# Altium PCB AutoinformerPCB.PcbDoc (part 1 of 3) (continued)
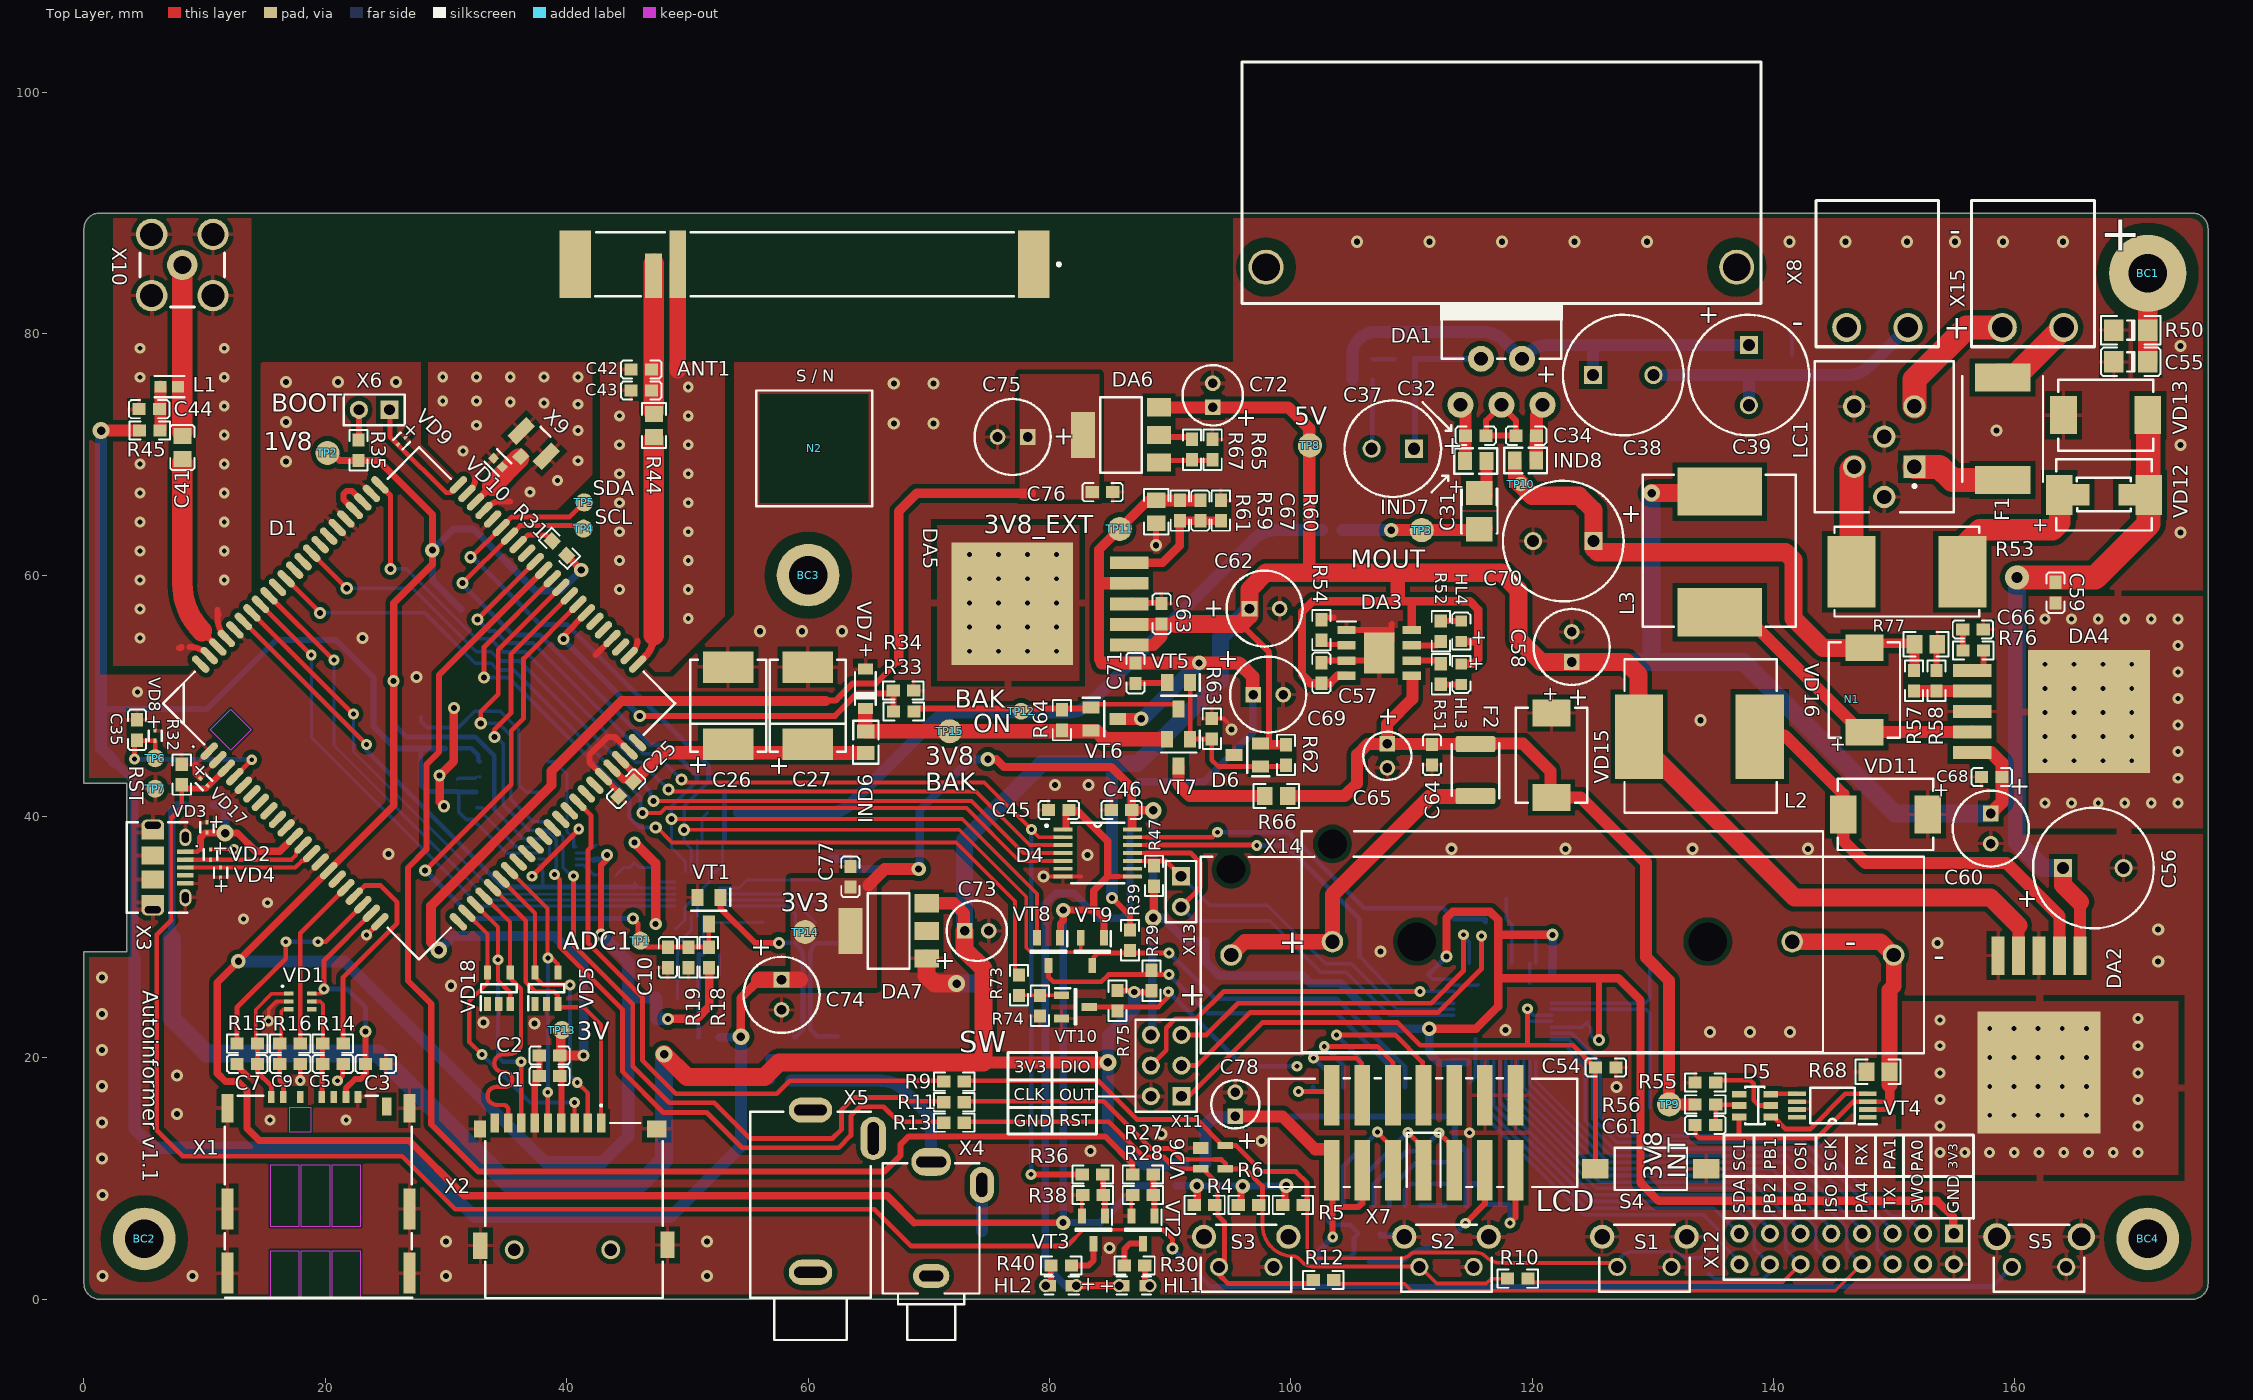
[diagram p0: Top Layer view]
## Components (designator, comment, footprint, x,y, rotation, side; value= is the part's Value field where it differs from the comment) (continued)
DA2 "LM2576S-5.0" "TO263-5 - heatsink" 161.921,19.264 r180 top
DA3 "TP4056" SOIC127P600X175-9N 107.325,53.55 r0 top
DA4 "LM2577S-ADJ" "TO263-5 - heatsink" 165.661,48.619 r270 top
DA5 "MIC29302WU" "TO263-5 - heatsink" 77.4,57.7 r90 top
DA6 "LM1117GS-ADJ" SOT223 85.925,71.6 r90 top
DA7 "LM1117GS-3.3" SOT223 66.675,30.5 r90 top
DD1 "STM32L151CBT6A" LQFP48_N 117.55,23.775 r180 bottom
F1 "MF-SM185/33-2" FUSM8867X300N 158.975,72.125 r270 top
F2 "1812L125/6PR" FUSSC324X455X62L 115.3,43.85 r270 top
HL1 "TO-1608BC-MYF" "LED_SMD1608 + THR0254" 87.05,1.125 r0 top
HL2 "TO-1608BC-MRE" "LED_SMD1608 + THR0254" 80.95,1.125 r180 top
HL3 "TO-1608BC-PG" LED_SMD1608GREEN 114.125,51.8 r270 top
HL4 "TO-1608BC-BF" LED_SMD1608 114.125,55.35 r90 top
IND1 "BLM21PG121SN1D" BLM21PG221_0805 58.85,20.825 r270 bottom
IND2 "BLM21SP102SN1D" BLM21PG221_0805 51.65,21.65 r180 bottom
IND3 "BLM21SP102SN1D" BLM21PG221_0805 48.3,25 r0 bottom
IND4 "BLM21SP102SN1D" BLM21PG221_0805 61.9,35.6 r270 bottom
IND5 "BLM21PG221SN1D" BLM21PG221_0805 75.2,26.15 r180 bottom
IND6 "BLM21PG300SN1D" BLM21PG221_0805 64.775,46.15 r90 top
IND7 "BLM21PG221SN1D" BLM21PG221_0805 115.325,69.45 r180 top
IND8 "BLM21SP102SN1D" BLM21PG221_0805 119.45,69.5 r0 top
IND9 "BLM21SP102SN1D" BLM21PG221_0805 92,11.2 r0 bottom
L1 "LQG18HN47NJ" L0603 7.075,75.625 r0 top
L2 "SRR1208-330YL" SRR1208 133.85,46.625 r180 top
L3 "SRR1208-680YL" SRR1208 135.55,61.925 r270 top
LC1 "BNX003-01" Murata_BNX_L12MM5_W11MM5_T13MM0_MFG 149.175,71.475 r270 top
N1 "Logo" "LOGO_SS - bot" 146.5,49.725 r0 top
N2 "SN" KZTA_SN 56,66 r0 top
R1 "0" R_SMD0603 89.65,9.4 r180 bottom
R2 "0" R_SMD0603 74.4,4.8 r90 bottom
R3 "68" R_SMD0603 57.75,18.125 r0 bottom
R4 "10k" R_SMD0603 92.85,7.825 r180 top
R5 "10k" R_SMD0603 100.175,7.825 r180 top
R6 "10k" R_SMD0603 96.5,7.825 r180 top
R8 "0 (NC)" R_SMD0603 134.7,2.95 r90 bottom
R9 "0" R_SMD0603 72.1,18.025 r0 top
R10 "0 (NC)" R_SMD0603 118.8,1.7 r180 top
R11 "0" R_SMD0603 72.1,16.325 r0 top
R12 "0 (NC)" R_SMD0603 102.7,1.6 r180 top
R13 "0" R_SMD0603 72.1,14.625 r0 top
R14 "22" R_SMD0603 20.625,21.175 r180 top
R15 "22" R_SMD0603 13.525,21.175 r0 top
R16 "22" R_SMD0603 17.075,21.175 r180 top
R17 "2.2k" R_SMD0603 56.175,30.375 r270 bottom
R18 "1k" R_SMD0603 51.775,28.325 r90 top
R19 "1k" R_SMD0603 50.075,28.325 r270 top
R20 "2.2k" R_SMD0603 32.05,57.925 r225 bottom
R21 "2.2k" R_SMD0603 34.575,60.425 r45 bottom
R22 "0 (NC)" R_SMD0805 53.4,57.9 r180 bottom
R23 "0 (NC)" R_SMD0805 28.225,72.55 r0 bottom
R24 "0 (NC)" R_SMD0805 14.275,63.25 r180 bottom
R25 "0" R_SMD0603 45.625,35.35 r90 bottom
R26 "2.2k" R_SMD0603 62.325,30.35 r90 bottom
R27 "10k" R_SMD0603 87.75,10.325 r0 top
R28 "10k" R_SMD0603 87.75,8.625 r0 top
R29 "2.2k" R_SMD0603 88.45,26.4 r90 top
R30 "360" R_SMD0603 87.05,2.8 r0 top
R31 "10k" R_SMD0603 39.4,62.225 r315 top
R32 "0 (NC)" R_SMD0603 8.1,43.475 r90 top
R33 "22k" R_SMD0603 67.925,48.7 r0 top
R34 "10k" R_SMD0603 67.9,50.45 r180 top
R35 "10k" R_SMD0603 22.75,70.35 r90 top
R36 "10k" R_SMD0603 83.575,10.325 r0 top
R37 "39" R_SMD0603 109.45,77.9 r0 bottom
R38 "10k" R_SMD0603 83.6,8.625 r0 top
R39 "2.2k" R_SMD0603 86.675,29.75 r90 top
R40 "360" R_SMD0603 80.975,2.8 r180 top
R41 "43" R_SMD0603 105.95,76.2 r0 bottom
R42 "2.2" R_SMD0603 105.95,74.5 r180 bottom
R43 "1" R_SMD0603 141.525,80.95 r90 bottom
R44 "0" R_SMD0805 47.225,72.4 r90 top
R45 "10" R_SMD0603 5.45,71.975 r180 top
R46 "10k" R_SMD0603 92.925,30.5 r90 bottom
R47 "10k" R_SMD0603 88.675,35.075 r90 top
R48 "10k" R_SMD0603 117,33.2 r180 bottom
R49 "10k" R_SMD0603 117,31.5 r180 bottom
R50 "1M" R_SMD1206 169.6,80.3 r180 top
R51 "18k" R_SMD0603 112.425,51.8 r270 top
R52 "3.9k" R_SMD0603 112.425,55.35 r90 top
R53 "2" R_SMD4527 151.05,60.275 r0 top
R54 "1.2k" R_SMD0603 102.525,55.45 r270 top
R55 "1k" R_SMD0603 134.35,17.95 r180 top
R56 "100" R_SMD0603 134.35,16.15 r0 top
R57 "16k" R_SMD0603 151.65,51.25 r90 top
R58 "1.5k" R_SMD0603 153.5,51.25 r270 top
R59 "100k" R_SMD0603 90.8,65.35 r90 top
R60 "47k" R_SMD0603 94.2,65.35 r270 top
R61 "470" R_SMD0805 88.85,65.25 r90 top
R62 "10k (NC)" R_SMD0603 99.6,45.1 r90 top
R63 "100k" R_SMD0603 93.45,47.275 r90 top
R64 "1k" R_SMD0603 81.025,47.995 r90 top
R65 "1.3k" R_SMD0603 93.525,70.4 r270 top
R66 "0.1" R_SMD0805 98.8,41.7 r0 top
R67 "1k" R_SMD0603 91.825,70.4 r90 top
R68 "0" R_SMD0805 148.65,18.85 r180 top
R69 "3.3k" R_SMD0603 103.45,63.725 r0 bottom
R70 "7.5k" R_SMD0603 106.375,64.575 r90 bottom
R71 "1k" R_SMD0402 30.425,45.65 r0 bottom
R72 "1k" R_SMD1206 27.925,46.625 r90 bottom
R73 "68" R_SMD0603 77.475,26.025 r270 top
R74 "10k" R_SMD0603 79.2,24.325 r90 top
R75 "10k" R_SMD0603 85.625,24.725 r90 top
R76 "2k" R_SMD0603 156.55,53.75 r180 top
R77 "120" R_SMD0805 152.625,54.275 r180 top
R78 "0" R_SMD0603 43.2,35.15 r0 bottom
R79 "10k" R_SMD0603 113.7,7.775 r0 bottom
R80 "10k" R_SMD0603 113.7,9.575 r0 bottom
R81 "10k" R_SMD0603 113.7,11.35 r0 bottom
R82 "10k" R_SMD0603 103.05,3.185 r0 bottom
R83 "5.6k" R_SMD0603 116.35,8.7 r90 bottom
R84 "2k" R_SMD0603 118.075,8.7 r90 bottom
S1 "KLS7-TS6606" "KLS7-TS6606 -7.0"#1 129.3,3.4 r0 top
S2 "KLS7-TS6606" "KLS7-TS6606 -7.0"#1 112.9,3.4 r0 top
S3 "KLS7-TS6606" "KLS7-TS6606 -7.0"#1 96.3,3.4 r0 top
S4 "1437566-3" 1437566-3 129.825,10.8 r0 top
S5 "KLS7-TS6606" "KLS7-TS6606 -7.0"#2 162,3.4 r0 top
TP1 "Test_point" TEST_POINT#1 46.113,29.713 r0 top
TP2 "Test_point" TEST_POINT#2 20.175,70.125 r0 top
TP3 "Test_point" TEST_POINT#2 110.85,63.725 r270 top
TP4 "Test_point" TEST_POINT#1 41.4,63.85 r0 top
TP5 "Test_point" TEST_POINT#1 41.45,66.025 r0 top
TP6 "Test_point" TEST_POINT#1 5.9,44.825 r0 top
TP7 "Test_point" TEST_POINT#3 5.875,42.3 r0 top
TP8 "Test_point" TEST_POINT#2 101.575,70.75 r90 top
TP9 "Test_point" TEST_POINT#2 131.35,16.15 r180 top
TP10 "Test_point" TEST_POINT#4 119.05,67.55 r90 top
TP11 "Test_point" TEST_POINT#2 85.825,63.825 r270 top
TP12 "Test_point" TEST_POINT#5 77.65,48.725 r270 top
TP13 "Test_point" TEST_POINT#1 39.6,22.3 r90 top
TP14 "Test_point" TEST_POINT#2 59.75,30.425 r270 top
TP15 "Test_point" TEST_POINT#2 71.75,47.065 r0 top
VD1 "SMF05C" SMF05C 17.925,24.675 r270 top
VD2 "ESD9L5.0ST5G" ESD9L5_514AB 10.475,36.85 r270 top
VD3 "ESD9L5.0ST5G" ESD9L5_514AB 10.2,39.1 r270 top
VD4 "ESD9L5.0ST5G" ESD9L5_514AB 11.325,35.35 r90 top
VD5 "ESDA6V1SC5" SOT23-5 38.325,25.775 r90 top
VD6 "SP0503BAHTG" SP0503BAHTG 93.55,11.775 r0 top
VD7 "MMSZ5231B-TP" SOD-123_3716X135N 64.75,50.6 r90 top
VD8 "ESD9L3.3ST5G" ESD9L5_514AB 5.9,46.7 r270 top
VD9 "ESD9L3.3ST5G" ESD9L5_514AB 26.325,71.125 r225 top
VD10 "LXES15AAA1-153" Murata_LXES15_IPC_A 34.3,69.325 r315 top
VD11 "SS36" "DO214AB SMC" 149.275,40.175 r180 top
VD12 "SS510" "SMC + SMAF" 167.375,66.65 r180 top
VD13 "SM15T39CA" "DO214AB SMC" 167.525,73.25 r0 top
VD14 "BAT60AE6327HTSA1" SOD-323 9.575,40.95 r180 bottom
VD15 "SS34" "DO214AB SMC" 121.6,45.075 r270 top
VD16 "SS36" "DO214AB SMC" 147.525,50.475 r90 top
VD17 "ESD9L3.3ST5G" ESD9L5_514AB 9.95,42.85 r315 top
VD18 "ESDA6V1SC5" SOT23-5 34.375,25.775 r90 top
VT1 "2N7002" SOT23 51.77,32.2 r270 top
VT2 "BC850B" SOT23-3 87.75,5.75 r270 top
VT3 "BC850B" SOT23-3 83.65,5.75 r270 top
VT4 "FS8205A" SOP65P640X120-8N 144.875,16.05 r180 top
VT5 "BSS138" SOT23 90.7,50 r270 top
VT6 "IRLML6402" SOT23 84.555,48.08 r0 top
VT7 "IRLML6402" SOT23 90.69,45.3 r270 top
VT8 "BSS138" SOT23-3 79.925,28.8 r270 top
VT9 "BSS138" SOT23-3 83.55,28.8 r270 top
VT10 "BSS138" SOT23-3 82.15,24.225 r0 top
VT11 "SI2308BDS-T1-GE3" SOT23 106.475,4.25 r270 bottom
X1 "5039600696" MOLEX_uSIM_5039600696 27.475,17.025 r180 top
X2 "112J-TDAR-R" 112JTDARR 40.6,14.6 r0 top
X3 "1050170001" "MOLEX_1050170001 - compact" 6.05,35.775 r270 top locked
X4 "PY-401N" "PY-401N - compact" 74.2,11.275 r180 top locked
X5 "PY-601N" "PY-601N - compact" 65.2,15.525 r180 top locked
X6 "DS1021_1x2" PLD2 24.05,73.7 r180 top
X7 "DS1013-14M" IDC-14M 111,13.8 r0 top
X8 "2EDGR-5.08-02P" 2EDGR-5.08-02P 148.6,80.525 r0 top
X9 "U_FL-R-SMT-1_10" HIROSE_0_MFG 37.275,70.9 r135 top
X10 "KLS1-SMA002-B" "SMA-FEMALE-RA - L-KLS1-SMA002-B" 8.15,85.7 r0 top
X11 "DS1021-2*3SF11-B" PLD2-3 89.67,19.36 r90 top
X12 "DS1021_2x8" PLD2X8 154.94,5.44 r180 top
X13 "DS1021_1x2" PLD2 90.9,33.775 r270 top
X14 "Keystone 1029 [1028]" BAT_keystone1028+1029 122.5,28.525 r0 top
X15 "2EDGR-5.08-02P" 2EDGR-5.08-02P 161.5,80.525 r0 top
Y1 "HC49SM-8MHz" HC49SM 129.75,24.4 r90 bottom

## Footprints (in the part's own frame and the unit in brackets; to place one, negate y for a bottom-side part, rotate by r counter-clockwise, add the part's x,y. Pads: shape width x height; smd on the part's side, far side on the other; paste and mask are expansions set on the pad)
2EDGR-5.08-02P [mm]
  round 2.4 hole 1.7: 1(-2.54,0) 2(2.54,0)
  silkscreen extent -5.08,-1.6 5.08,10.5, body extent -5.08,-1.6 5.08,10.5, height 8.1
112JTDARR [mm]
  rect 0.7x1.6 smd: 1(2.25,0) 2(1.15,0) 3(0.05,0) 4(-1.05,0) 5(-2.15,0) 6(-3.25,0) 7(-4.35,0) 8(-5.45,0) 9(-6.55,0)
  rect 1x1.4 smd: 10(-7.8,-0.5)
  rect 1.2x2.2 smd: 11(-7.75,-10.16) 12(7.75,-10.1)
  rect 1.6x1.4 smd: 13(6.85,-0.5)
  round 1.575 hole 1.05: 14(-4.95,-10.5) 15(3.05,-10.5)
  silkscreen extent -7.35,-14.5 7.35,1.5, body extent -8.05,-14.5 8.05,0.5, height 1.85
1437566-3 [mm]
  rect 2.18x1.6 smd: 1(-4.6,0) 2(4.6,0)
  silkscreen extent -3,-1.75 3,1.75, body extent -5.54,-1.75 5.54,1.75, height 4.87
BAT_keystone1028+1029 [mm]
  round 0 hole 2.39 unplated mask+0.102: MH(-27.45,7.1) MH(-19.05,9.2)
  round 0 hole 3.2 unplated mask+0.102: MH(-12.05,1.1) MH(12.05,1.1)
  round 1.785 hole 1.19: NEG(19.05,1.1) NEG(27.45,0) POS(-27.45,0) POS(-19.05,1.1)
  silkscreen extent -29.97,-8.13 29.97,10.25, body extent -29.97,-8.13 29.97,10.29, height 18.2
BLM21PG221_0805 [mm]
  rect 1.14x1.47 smd: 1(-0.89,0) 2(0.89,0)
  silkscreen extent -1.78,-1.06 1.78,1.05, body extent -1.1,-0.72 1.11,0.72, height 1.04
body_connection_1#1 [mm]
  round 6.4 hole 3.2: 1(203.664,65.647)
body_connection_1#2 [mm]
  round 5.2 hole 3.2: 1(22.288,-14.353)
body_connection_1#3 [mm]
  round 5.2 hole 3.2: 1(84.963,40.647)
body_connection_1#4 [mm]
  round 5.2 hole 3.2: 1(-9.25,-0.6)
C_SMD0402 [mm]
  rect 0.6x0.6 smd: 1(-0.5,0) 2(0.5,0)
  silkscreen extent -1.03,-0.52 1.03,0.53, body extent -0.53,-0.28 0.53,0.28, height 0.55
C_SMD0603 [mm]
  rect 1.1x1 smd: 1(-0.85,0) 2(0.85,0)
  silkscreen extent -1.68,-0.75 1.68,0.75, body extent -0.85,-0.45 0.85,0.45, height 0.9
C_SMD0805 [mm]
  rect 1.3x1.5 smd: 1(-0.95,0) 2(0.95,0)
  silkscreen extent -1.87,-1 1.88,1, body extent -1.05,-0.67 1.05,0.68, height 0.75
C_SMD1206 [mm]
  rect 1.6x1.8 smd: 1(-1.4,0) 2(1.4,0)
  silkscreen extent -2.45,-1.17 2.45,1.17, body extent -1.67,-0.87 1.68,0.88, height 1
"DO214AB SMC" [mm]
  rect 2.2x3.15 smd: 1(-3.5,0) 2(3.5,0)
  silkscreen extent -3.95,-2.95 3.95,2.95, body extent -4.06,-3.15 4.06,3.15, height 2.62
ESD9L5_514AB [mm]
  rect 0.36x0.25 smd paste+0 mask+0: 1(-0.42,0) 2(0.42,0)
  silkscreen extent -0.43,-0.55 0.43,0.55, body extent -0.7,-0.43 0.7,0.43, height 0.25
FUSM8867X300N [mm]
  rect 2.3x4.6 smd: 1(-4.25,0) 2(4.25,0)
  silkscreen extent -4.38,-3.35 4.38,3.35, body extent -4.38,-3.35 4.37,3.36, height 2.99
FUSSC324X455X62L [mm]
  rrect25% 1.34x3.29 smd: 1(-2.15,0) 2(2.15,0)
  silkscreen extent -2.21,-1.95 2.35,1.96, body extent -2.27,-1.62 2.27,1.62, height 1.25
HC49SM [mm]
  rect 5.5x2 smd: 1(-4.75,0) 2(4.75,0)
  silkscreen extent -5.85,-2.5 5.85,2.5, body extent -6.2,-2.35 6.2,2.35, height 3.8
HIROSE_0_MFG [mm]
  rect 1x1.05 smd paste-1000 mask+0: 1(0,1.525)
  rect 1.05x2.2 smd paste-1000 mask+0: 2(-1.475,0) 3(1.475,0)
  silkscreen extent -0.58,-1.38 0.58,-1.38, body extent -2.1,-1.47 2.1,2.15, height 0.25
IC_SIM7600E-H [mm]
  oval 1.8x0.6 smd: 1(-15.1,9.5) 2(-15.1,8.5) 3(-15.1,7.5) 4(-15.1,6.5) 5(-15.1,5.5) 6(-15.1,4.5) 7(-15.1,3.5) 8(-15.1,2.5) 9(-15.1,1.5) 10(-15.1,0.5) 11(-15.1,-0.5) 12(-15.1,-1.5) 13(-15.1,-2.5) 14(-15.1,-3.5) 15(-15.1,-4.5) 16(-15.1,-5.5) 17(-15.1,-6.5) 18(-15.1,-7.5) 19(-15.1,-8.5) 20(-15.1,-9.5) 41(15.1,-9.5) 42(15.1,-8.5) 43(15.1,-7.5) 44(15.1,-6.5) 45(15.1,-5.5) 46(15.1,-4.5) 47(15.1,-3.5) 48(15.1,-2.5) 49(15.1,-1.5) 50(15.1,-0.5) 51(15.1,0.5) 52(15.1,1.5) 53(15.1,2.5) 54(15.1,3.5) 55(15.1,4.5) 56(15.1,5.5) 57(15.1,6.5) 58(15.1,7.5) 59(15.1,8.5) 60(15.1,9.5) 81(-15.1,-10.5) 82(15.1,-10.5) 85(15.1,10.5)
  oval 0.6x1.8 smd: 21(-9.5,-15.1) 22(-8.5,-15.1) 23(-7.5,-15.1) 24(-6.5,-15.1) 25(-5.5,-15.1) 26(-4.5,-15.1) 27(-3.5,-15.1) 28(-2.5,-15.1) 29(-1.5,-15.1) 30(-0.5,-15.1) 31(0.5,-15.1) 32(1.5,-15.1) 33(2.5,-15.1) 34(3.5,-15.1) 35(4.5,-15.1) 36(5.5,-15.1) 37(6.5,-15.1) 38(7.5,-15.1) 39(8.5,-15.1) 40(9.5,-15.1) 61(9.5,15.1) 62(8.5,15.1) 63(7.5,15.1) 64(6.5,15.1) 65(5.5,15.1) 66(4.5,15.1) 67(3.5,15.1) 68(2.5,15.1) 69(1.5,15.1) 70(0.5,15.1) 71(-0.5,15.1) 72(-1.5,15.1) 73(-2.5,15.1) 74(-3.5,15.1) 75(-4.5,15.1) 76(-5.5,15.1) 77(-6.5,15.1) 78(-7.5,15.1) 79(-8.5,15.1) 80(-9.5,15.1) 83(10.5,-15.1) 84(-10.5,-15.1) 86(-10.5,15.1) 87(10.5,15.1)
  Keep-Out Layer region: -11.4,8.3 -13.8,8.3 -13.8,10.7 -11.4,10.7
  Keep-Out Layer region: -11.4,8.3 -13.8,8.3 -13.8,10.7 -11.4,10.7
  silkscreen extent -15,-15 15,15, body extent -15,-15 15,15, height 2.9
IDC-14M [mm] "вилка SMD поверхностный монтаж"
  rect 1.3x5 smd: 1(-7.62,-3.1) 2(-7.62,3.1) 3(-5.08,-3.1) 4(-5.08,3.1) 5(-2.54,-3.1) 6(-2.54,3.1) 7(0,-3.1) 8(0,3.1) 9(2.54,-3.1) 10(2.54,3.1) 11(5.08,-3.1) 12(5.08,3.1) 13(7.62,-3.1) 14(7.62,3.1)
  silkscreen extent -12.83,-4.5 12.75,4.5, body extent -12.79,-5.08 12.79,5.1, height 9.64
"K50-35 5x11x2" [mm]
  rect 1.3x1.3 hole 0.8: 1(1,0)
  round 1.3 hole 0.8: 2(-1,0)
  silkscreen extent -2.5,-2.5 2.5,2.5, body extent -2.53,-2.53 2.53,2.53, height 11.53
"K50-35 6.3x11x2.5" [mm]
  rect 1.3x1.3 hole 0.8: 1(1.25,0)
  round 1.3 hole 0.8: 2(-1.25,0)
  silkscreen extent -3.15,-3.15 3.15,3.15, body extent -3.18,-3.18 3.18,3.18, height 11.53
"K50-35 8x11.5x3.5" [mm]
  rect 1.5x1.5 hole 1: 1(1.75,0)
  round 1.5 hole 1: 2(-1.75,0)
  silkscreen extent -4,-4 4,4, body extent -4.03,-4 4.03,4.05, height 12.03
"K50-35 10x12.5x5" [mm] "ECAP"
  rect 1.5x1.5 hole 1: 1(2.5,0)
  round 1.5 hole 1: 2(-2.5,0)
  silkscreen extent -5,-5 5,5, body extent -5,-5 5,5, height 12.5
"K50-35mini 4x7x2" [mm] "ECAP"
  rect 1.3x1.3 hole 0.8: 1(1,0)
  round 1.3 hole 0.8: 2(-1,0)
  silkscreen extent -2,-2 2,2, body extent -2.53,-2.53 2.53,2.53, height 11.53
"KLS7-TS6606 -7.0"#1 [mm]
  round 1.5 hole 1: 1(-2.25,-0.725) 2(2.25,-0.725)
  round 2 hole 1.3: SH(-3.5,1.775) SH(3.5,1.775)
  silkscreen extent -3.75,-2.78 3.75,2.78, body extent -4.2,-6.45 4.2,3.3, height 7
"KLS7-TS6606 -7.0"#2 [mm]
  round 1.5 hole 1: 1(-2.25,-0.725) 2(2.25,-0.725)
  round 2.25 hole 1.5: SH(-3.5,1.775) SH(3.5,1.775)
  silkscreen extent -3.75,-2.78 3.75,2.78, body extent -4.2,-6.45 4.2,3.3, height 7
KZTA_SN [mm] "Serial Number Placement"
  rect 9x9 on Drill Drawing mask+0: SN(4.5,4.5)
  silkscreen extent -0.3,-0.3 9.3,9.3
L0603 [mm]
  rect 1.006x0.958 smd paste+0 mask+0: 1(-0.726,0) 2(0.726,0)
  silkscreen extent -1.23,-0.88 1.23,0.88, body extent -1.48,-0.73 1.48,0.73, height 0.25
LED_SMD1608 [mm]
  rect 0.9x0.95 smd: 1(-0.85,0) 2(0.85,0)
  silkscreen extent -1.5,-0.75 1.55,0.75, body extent -0.85,-0.45 0.85,0.45, height 0.9
"LED_SMD1608 + THR0254" [mm]
  round 1.1 hole 0.7: 1(-1.27,0) 2(1.27,0)
  rect 0.9x0.95 smd: 1(-0.85,0) 2(0.85,0)
  silkscreen extent -1.5,-0.75 1.35,0.75, body extent -1.77,-1.75 1.87,1.89, height 12.06
LED_SMD1608GREEN [mm]
  rect 0.9x0.95 smd: 1(-0.85,0) 2(0.85,0)
  silkscreen extent -1.5,-0.75 1.55,0.75, body extent -0.85,-0.45 0.85,0.45, height 0.9
"LOGO_SS - bot" [mm]
LQFP48_N [mm] "QFP, 48-Leads, Body 7x7mm, Pitch 0.5mm, IPC Medium Density"
  oval 1.8x0.3 smd: 1(-4.05,2.75) 2(-4.05,2.25) 3(-4.05,1.75) 4(-4.05,1.25) 5(-4.05,0.75) 6(-4.05,0.25) 7(-4.05,-0.25) 8(-4.05,-0.75) 9(-4.05,-1.25) 10(-4.05,-1.75) 11(-4.05,-2.25) 12(-4.05,-2.75) 25(4.05,-2.75) 26(4.05,-2.25) 27(4.05,-1.75) 28(4.05,-1.25) 29(4.05,-0.75) 30(4.05,-0.25) 31(4.05,0.25) 32(4.05,0.75) 33(4.05,1.25) 34(4.05,1.75) 35(4.05,2.25) 36(4.05,2.75)
  oval 0.3x1.8 smd: 13(-2.75,-4.05) 14(-2.25,-4.05) 15(-1.75,-4.05) 16(-1.25,-4.05) 17(-0.75,-4.05) 18(-0.25,-4.05) 19(0.25,-4.05) 20(0.75,-4.05) 21(1.25,-4.05) 22(1.75,-4.05) 23(2.25,-4.05) 24(2.75,-4.05) 37(2.75,4.05) 38(2.25,4.05) 39(1.75,4.05) 40(1.25,4.05) 41(0.75,4.05) 42(0.25,4.05) 43(-0.25,4.05) 44(-0.75,4.05) 45(-1.25,4.05) 46(-1.75,4.05) 47(-2.25,4.05) 48(-2.75,4.05)
  silkscreen extent -2.75,-2.75 2.75,2.75, body extent -4.51,-4.51 4.51,4.51, height 1.5
Molex_146200-0011_MFG [mm] "LTE SMT ANTENNA"
  rect 2.6x5.6 smd paste+0 mask+0: 1(19,0) 4(-19,0)
  rect 1.4x5.6 smd paste+0 mask+0: 2(-10.5,0)
  rect 1.4x3.72 smd paste+0 mask+0: 3(-12.5,-0.94)
  silkscreen extent -17.32,-2.65 21.2,2.65, body extent -20,-2.53 20,2.53, height 5.36
"MOLEX_1050170001 - compact" [mm]
  rect 0.35x1.35 smd mask+0.055: 1(-1.3,2.35) 2(-0.65,2.35) 3(0,2.35) 4(0.65,2.35) 5(1.3,2.35)
  oval 1.45x1 hole 0.6 slot 0.9 at 0 deg mask+0.07: SH1(-2.5,2.35) SH2(2.5,2.35)
  oval 0.95x1.9 hole 0.6 slot 1.3 at 90 deg: SH4(-3.5,-0.35) SH7(3.5,-0.35)
  rect 1.2x1.9 smd: SH4(-2.9,-0.35) SH7(2.9,-0.35)
  rect 1.5x1.9 smd: SH5(-1,-0.35) SH6(1,-0.35)
  silkscreen extent -3.75,-2.5 3.75,2.5, body extent -4.1,-2.93 4.1,2.5, height 2.63
MOLEX_uSIM_5039600696 [mm]
  rect 0.55x1 smd: C1(5.765,0.25) C2(7.765,0.25) C3(11.955,0.25) C5(4.765,0.25) C6(6.765,0.25) C7(10.955,0.25) CD(9.55,0.25)
  rect 0.8x1.5 smd: CDL(2.4,1.07)
  rect 1x3.4 smd: SHLD(0.5,14.85) SHLD(0.5,9.55) SHLD(15.6,14.85) SHLD(15.6,9.55)
  rect 1x2.4 smd: SHLD(0.5,1.2) SHLD(15.6,1.2)
  Keep-Out Layer region: 12,5.9 9.66,5.9 9.66,11 12,11
  Keep-Out Layer region: 9.46,5.9 7.12,5.9 7.12,11 9.46,11
  Keep-Out Layer region: 6.92,5.9 4.58,5.9 4.58,11 6.92,11
  Keep-Out Layer region: 6.92,13 4.58,13 4.58,16.9 6.92,16.9
  Keep-Out Layer region: 9.46,13 7.12,13 7.12,16.9 9.46,16.9
  Keep-Out Layer region: 12,13 9.66,13 9.66,16.9 12,16.9
  Keep-Out Layer region: 10.425,1.12 8.675,1.12 8.675,3.17 10.425,3.17
  silkscreen extent 0.28,0.15 15.83,16.9, body extent 0.31,0.15 15.81,16.9, height 1.4
Murata_BNX_L12MM5_W11MM5_T13MM0_MFG [mm]
  rect 1.85x1.85 hole 1.2 paste-1000 mask+0: 1(2.5,2.5)
  round 1.85 hole 1.2 paste-1000 mask+0: 2(2.5,-2.5) 3(-2.5,2.5) 4(-2.5,-2.5) 5(0,0) 6(5,0)
  silkscreen extent -6.25,-5.75 6.25,5.75, body extent -6.35,-5.85 6.35,5.85, height 0.25
Murata_LXES15_IPC_A [mm]
  rect 0.665x0.672 smd paste+0 mask+0: 1(-0.504,0) 2(0.504,0)
  silkscreen extent -0.84,-0.74 0.84,0.74, body extent -0.5,-0.25 0.5,0.25, height 0.33
NAU8810YG [mm]
  rect 0.81x0.239 smd paste+0 mask+0: 1(-1.851,1)
  oval 0.81x0.239 smd paste+0 mask+0: 2(-1.851,0.5) 3(-1.851,0) 4(-1.851,-0.5) 5(-1.851,-1) 11(1.851,-1) 12(1.851,-0.5) 13(1.851,0) 14(1.851,0.5) 15(1.851,1)
  oval 0.239x0.81 smd paste+0 mask+0: 6(-1,-1.851) 7(-0.5,-1.851) 8(0,-1.851) 9(0.5,-1.851) 10(1,-1.851) 16(1,1.851) 17(0.5,1.851) 18(0,1.851) 19(-0.5,1.851) 20(-1,1.851)
  rect 2.1x2.1 smd paste-1000 mask+0: 21(0,0)
  silkscreen extent -2.98,-2 2,2, body extent -2.02,-2.02 2.02,2.02, height 0.75
PLD2 [mm]
  rect 1.5x1.5 hole 0.9: 1(-1.27,0)
  round 1.5 hole 0.9: 2(1.27,0)
  silkscreen extent -2.54,-1.27 2.54,1.27, body extent -2.5,-1.26 2.5,1.28, height 8.5
PLD2-3 [mm]
  rect 1.5x1.5 hole 0.9: 1(-2.54,-1.27)
  round 1.5 hole 0.9: 2(-2.54,1.27) 3(0,-1.27) 4(0,1.27) 5(2.54,-1.27) 6(2.54,1.27)
  silkscreen extent -3.81,-2.54 3.81,2.54, body extent -3.84,-2.52 3.78,2.56, height 8.6
PLD2X8 [mm]
  rect 1.5x1.5 hole 0.9: 1(0,0)
  round 1.5 hole 0.9: 2(0,2.54) 3(2.54,0) 4(2.54,2.54) 5(5.08,0) 6(5.08,2.54) 7(7.62,0) 8(7.62,2.54) 9(10.16,0) 10(10.16,2.54) 11(12.7,0) 12(12.7,2.54) 13(15.24,0) 14(15.24,2.54) 15(17.78,0) 16(17.78,2.54)
  silkscreen extent -1.27,-1.27 19.05,3.81, body extent -1.27,-1.23 19.05,3.77, height 8.6
"PY-401N - compact" [mm] "2.5mm mono jack"
  oval 3x2 hole 0.9 slot 2 at 0 deg: 1(4,9.35)
  oval 3.3x2.3 hole 0.9 slot 2.5 at 0 deg: 2(4,-0.1)
  oval 2x3 hole 0.9 slot 2 at 90 deg: 3(-0.2,1.8)
  silkscreen extent 0,0 8,14.65, body extent -0.4,-0.2 8,14.65, height 9
"PY-601N - compact" [mm] "miniJACK 3.5mm"
  oval 3.6x2.1 hole 0.9 slot 2.7 at 0 deg: 1(5,13.3) 2(5,-0.15)
  oval 2.1x3.6 hole 0.9 slot 2.7 at 90 deg: 3(-0.2,2.2)
  silkscreen extent 0,0 10,18.9, body extent -0.4,-0.3 10,18.9, height 10
R_SMD0402 [mm]
  rect 0.6x0.6 smd: 1(-0.5,0) 2(0.5,0)
  silkscreen extent -1.03,-0.5 1.03,0.5, body extent -0.51,-0.25 0.49,0.25, height 0.3
R_SMD0603 [mm]
  rect 1.1x1 smd: 1(-0.85,0) 2(0.85,0)
  silkscreen extent -1.68,-0.75 1.68,0.75, body extent -0.82,-0.4 0.78,0.4, height 0.45
R_SMD0805 [mm]
  rect 1.3x1.5 smd: 1(-0.95,0) 2(0.95,0)
  silkscreen extent -1.88,-1 1.88,1, body extent -0.97,-0.6 1.03,0.65, height 0.55
R_SMD1206 [mm]
  rect 1.6x1.8 smd: 1(-1.4,0) 2(1.4,0)
  silkscreen extent -2.45,-1.17 2.45,1.17, body extent -2.24,-0.8 2.3,0.8, height 1.25
R_SMD4527 [mm]
  rect 4x5.9 smd: 1(-4.6,0) 2(4.6,0)
  silkscreen extent -6,-3.7 6,3.75, body extent -5.73,-3.5 5.75,3.5, height 2.35
"SMA-FEMALE-RA - L-KLS1-SMA002-B" [mm] "SMA connector"
  round 2.524 hole 1.5: 1(0,0)
  round 2.6 hole 1.9: G(-2.54,-2.54) G(-2.54,2.54) G(2.54,-2.54) G(2.54,2.54)
  silkscreen extent -3.5,-3.5 3.5,1, body extent -3.5,-3.5 3.5,11, height 9.9
"SMC + SMAF" [mm]
  rect 1.8x1.8 smd: A(2.11,0) C(-2.09,0)
  rect 2.2x3.3 smd: A(3.7,0) C(-3.7,0)
  silkscreen extent -3.95,-2.95 3.95,2.95, body extent -4.05,-3.12 4.06,3.1, height 2.92
SMF05C [mm]
  rect 0.35x0.8 smd paste-1 mask+0.052: 1(-0.65,-0.95) 2(0,-0.95) 3(0.65,-0.95) 4(0.65,0.95) 5(0,0.95) 6(-0.65,0.95)
  silkscreen extent -1.26,-1.53 -1.26,-1.44, body extent -1.05,-1.05 1.05,1.05, height 1.09
SOD-123_3716X135N [mm]
  rect 0.91x1.22 smd: A(1.635,0) C(-1.635,0)
  silkscreen extent -1.35,-0.86 1.35,0.86, body extent -1.85,-0.8 1.85,0.8, height 1.25
SOD-323 [mm]
  rect 1.11x0.52 smd: 1(-1.165,0) 2(1.165,0)
  silkscreen extent -0.82,-0.62 0.82,0.62, body extent -1.25,-0.63 1.25,0.62, height 0.9
"SOIC8 (SO-8)" [mm]
  rect 1.525x0.65 smd: 1(-2.8,1.905) 2(-2.8,0.635) 3(-2.8,-0.635) 4(-2.8,-1.905) 5(2.8,-1.905) 6(2.8,-0.635) 7(2.8,0.635) 8(2.8,1.905)
  silkscreen extent -3.47,-2.45 1.6,2.58, body extent -3.08,-2.5 3.08,2.5, height 2
SOIC127P600X175-9N [mm]
  rect 1.525x0.7 smd: 1(-2.712,1.905) 2(-2.712,0.635) 3(-2.712,-0.635) 4(-2.712,-1.905) 5(2.712,-1.905) 6(2.712,-0.635) 7(2.712,0.635) 8(2.712,1.905)
  rect 2.513x3.402 smd: 9(0,0)
  silkscreen extent -3.47,2.61 -1.95,2.61, body extent -3,-2.45 3,2.45, height 1.75
SOIC127P1032X265-16N [mm]
  rect 1.9x0.533 smd: 1(-4.9,4.445) 2(-4.9,3.175) 3(-4.9,1.905) 4(-4.9,0.635) 5(-4.9,-0.635) 6(-4.9,-1.905) 7(-4.9,-3.175) 8(-4.9,-4.445) 9(4.9,-4.445) 10(4.9,-3.175) 11(4.9,-1.905) 12(4.9,-0.635) 13(4.9,0.635) 14(4.9,1.905) 15(4.9,3.175) 16(4.9,4.445)
  silkscreen extent -3.81,-5.26 3.81,5.26, body extent -5.27,-5.1 5.27,5.21, height 2.54
SOP50P310X90-8N [mm]
  rect 1.12x0.3 smd: 1(-1.55,0.75) 2(-1.55,0.25) 3(-1.55,-0.25) 4(-1.55,-0.75) 5(1.55,-0.75) 6(1.55,-0.25) 7(1.55,0.25) 8(1.55,0.75)
  silkscreen extent -1.2,-1.05 1.2,1.05, body extent -1.59,-1.05 1.61,1.05, height 0.9
SOP65P640X120-8N [mm]
  rect 1.475x0.38 smd mask+0.055: 1(-2.938,0.975) 2(-2.938,0.325) 3(-2.938,-0.325) 4(-2.938,-0.975) 5(2.938,-0.975) 6(2.938,-0.325) 7(2.938,0.325) 8(2.938,0.975)
  silkscreen extent -3.67,-1.47 1.85,1.55, body extent -3.2,-1.47 3.2,1.47, height 1.2
SOP65P640X120-14N [mm]
  rrect25% 1.57x0.32 smd mask+0.07: 1(-2.87,1.95) 2(-2.87,1.3) 3(-2.87,0.65) 4(-2.87,0) 5(-2.87,-0.65) 6(-2.87,-1.3) 7(-2.87,-1.95) 8(2.87,-1.95) 9(2.87,-1.3) 10(2.87,-0.65) 11(2.87,0) 12(2.87,0.65) 13(2.87,1.3) 14(2.87,1.95)
  silkscreen extent -4.34,-2.5 2.2,2.5, body extent -3.25,-2.55 3.15,2.55, height 1.2
SOT23 [mm]
  rect 1.4x1 smd: 1(-1.1,0.96) 2(-1.1,-0.94) 3(1.1,0.01)
  silkscreen extent -1.8,-1.45 0,1.77, body extent -1.17,-1.45 1.17,1.47, height 1
SOT23-3 [mm]
  rect 1.25x0.65 smd: 1(-1.15,0.96) 2(-1.15,-0.96) 3(1.15,0)
  silkscreen extent -1.68,-1.46 0.08,1.54, body extent -1.18,-1.46 1.18,1.46, height 1.12
SOT23-5 [mm]
  rect 1.15x0.6 smd mask+0.08: 1(-1.3,0.95) 2(-1.3,0) 3(-1.3,-0.95) 4(1.3,-0.95) 5(1.3,0.95)
  silkscreen extent -1.83,-1.48 0.33,1.5, body extent -1.4,-1.47 1.4,1.48, height 1.45
SOT23-6-D [mm]
  rect 0.55x1.2 smd: 1(-0.95,-1.3) 2(0,-1.3) 3(0.95,-1.3) 4(0.95,1.3) 5(0,1.3) 6(-0.95,1.3)
  silkscreen extent -1.55,-0.81 1.57,0.81, body extent -1.4,-1.3 1.4,1.13, height 1.09
SOT223 [mil]
  rect 59x79 smd: 1(-89,-124) 2(1,-124) 3(91,-124)
  rect 150x79 smd: 4(0,124)
  silkscreen extent -123,-68 123,68, body extent -128,-136 128,136, height 64
SP0503BAHTG [mm]
  rect 1.3x0.99 smd: 1(-1.025,0.76)
  rect 1.3x0.59 smd: 2(-1.025,-0.96) 3(1.025,-0.96) 4(1.025,0.96)
  body extent -1.18,-1.45 1.18,1.45, height 1.22
SRR1208 [mm]
  rect 4x7 smd: 1(-5,0) 2(5,0)
  silkscreen extent -6.4,-6.4 6.2,6.3, body extent -6.55,-6.45 6.35,6.45, height 8.5
"TDA2003V _HS-117-30 (ABM-161-30)" [mm] "Pentawatt V"
  round 2.159 hole 1.15: 1(-3.4,-8.405) 2(-1.7,-4.595) 3(0,-8.405) 4(1.7,-4.595) 5(3.4,-8.405)
  round 2.9 hole 2.3: 19(-19.5,3) 20(19.5,3)
  silkscreen extent -21.5,-4.59 21.5,20, body extent -21.5,-8.58 21.5,20, height 30
TECAP_B [mm]
  rect 2x2.2 smd: 1(-1.5,0) 2(1.5,0)
  silkscreen extent -1.85,-1.5 1.85,1.5, body extent -1.81,-1.45 1.88,1.37, height 2.09
TECAP_E [mm]
  rect 2.6x4.2 smd: 1(-3.2,0) 2(3.2,0)
  silkscreen extent -3.8,-3.15 3.8,3.15, body extent -3.65,-3 3.65,3, height 3.6
TEST_POINT#1 [mm]
  round 1.5 smd: 1(0,0)
TEST_POINT#2 [mm]
  round 2 smd: 1(0,0)
TEST_POINT#3 [mm]
  round 1.5 smd: 1(0.025,0)
TEST_POINT#4 [mm]
  round 1.2 smd: 1(0,0)
TEST_POINT#5 [mm]
  round 1.4 smd: 1(0,0)
"TO263-5 - heatsink" [mm] "D2PAK"
  rect 1.07x3.2 smd: 1(-3.481,-9.211) 2(-1.779,-9.211) 3(-0.077,-9.211) 4(1.625,-9.211) 5(3.327,-9.211)
  round 1 hole 0.4: 6(-4,4.025) 6(-4,-0.775) 6(-4,1.625) 6(-4,-3.175) 6(-2,1.625) 6(-2,4.025) 6(-2,-0.775) 6(-2,-3.175) 6(0,4.025) 6(0,1.625) 6(0,-0.775) 6(0,-3.175) 6(2,1.625) 6(2,4.025) 6(2,-0.775) 6(2,-3.175) 6(4,4.025) 6(4,-0.775) 6(4,1.625) 6(4,-3.175)
  rect 10.16x10.1 smd: 6(-0.077,0.483)
  body extent -5.01,-10.06 4.81,4.54, height 4.22